# KiCad board IotKnob.kicad_pcb (continued)
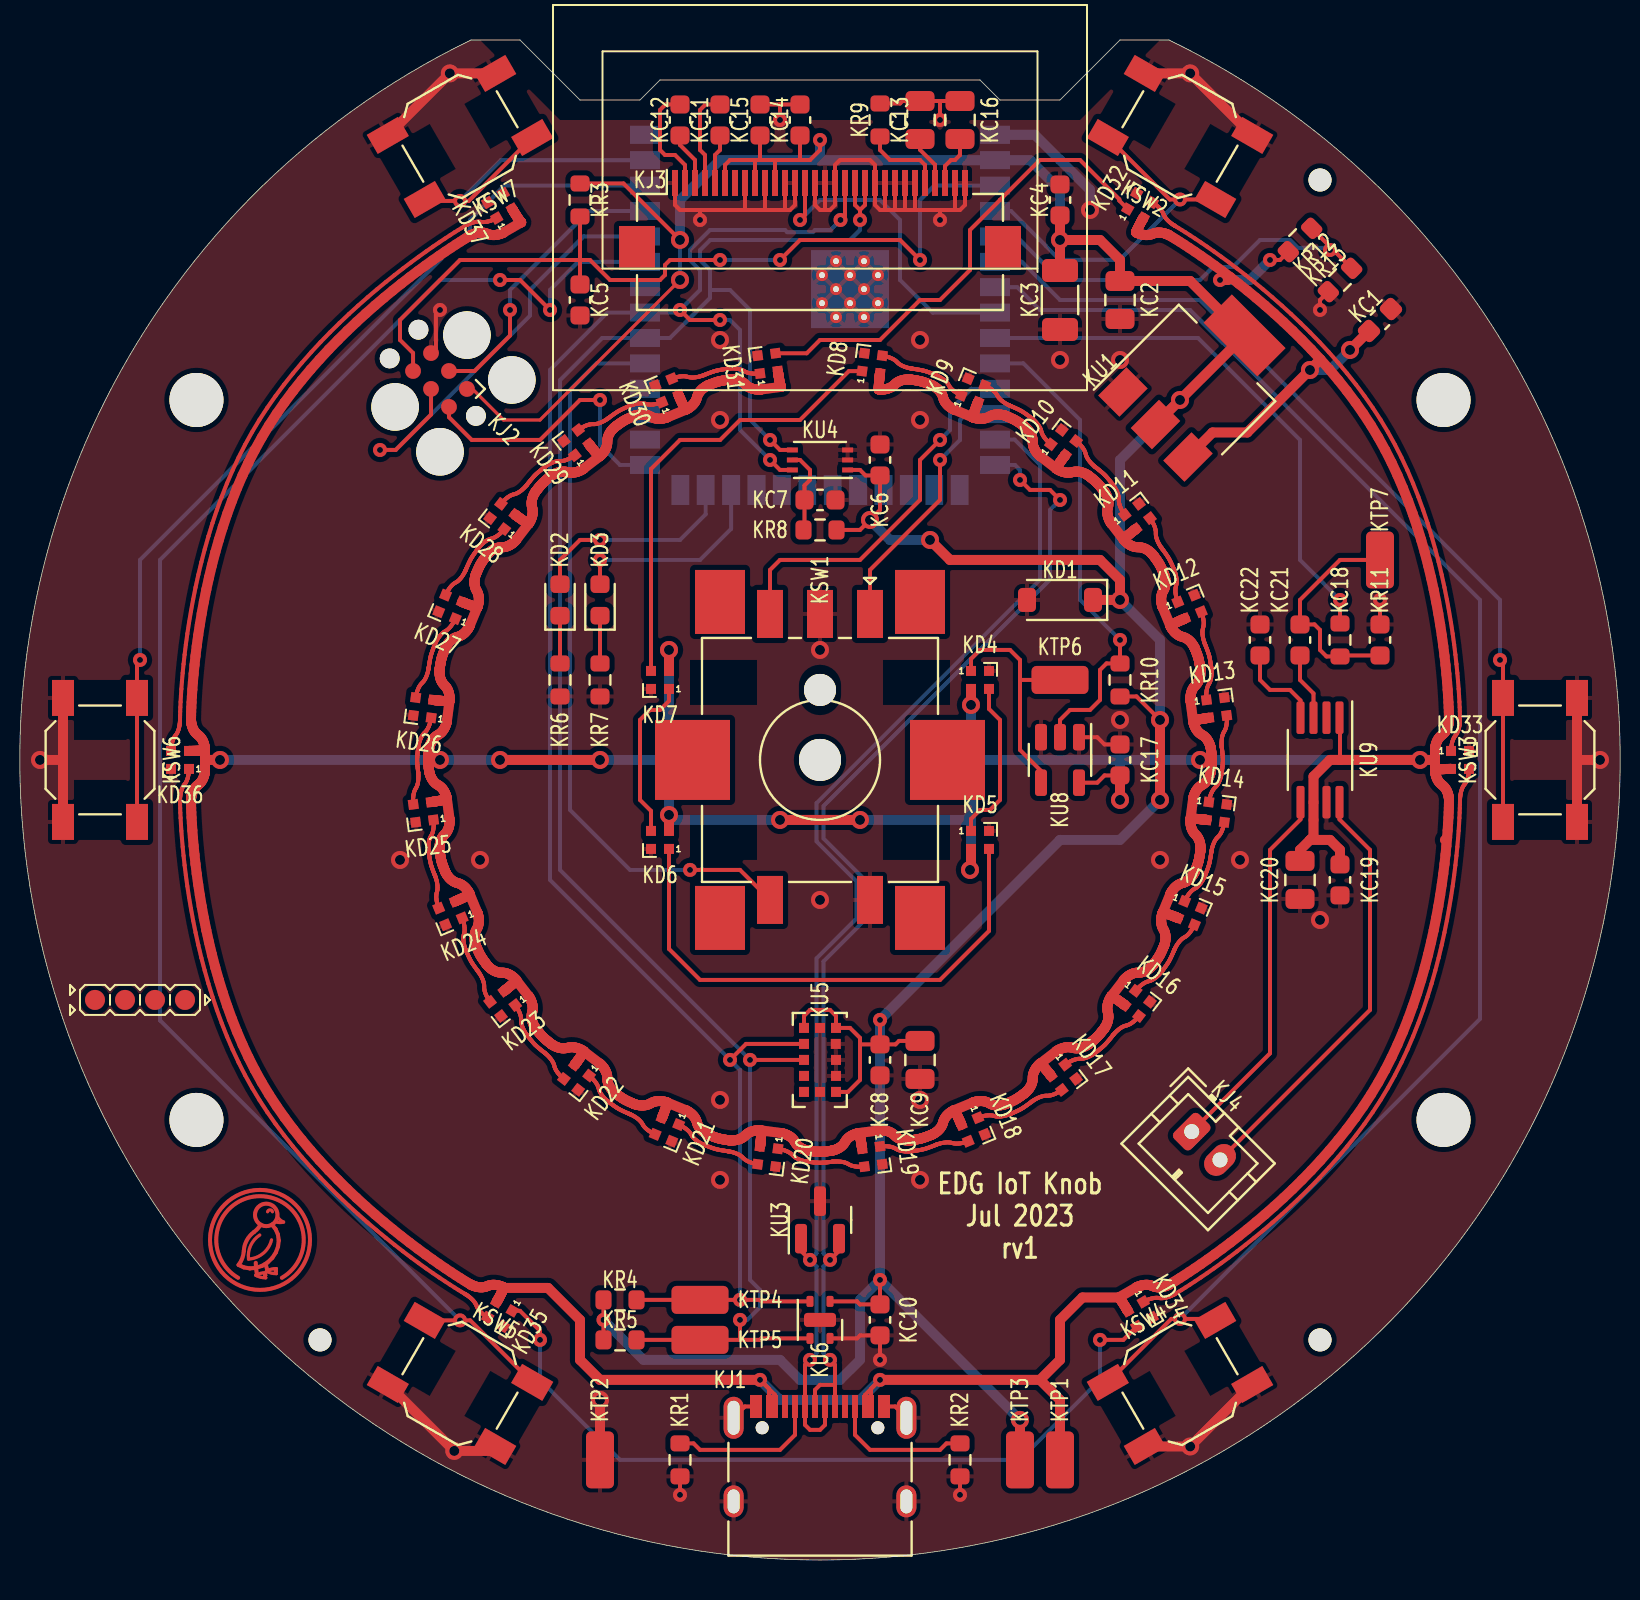
[diagram p0: board, top side]
## Routing (per net, layer and track width the routed paths; a pad name or vN(x,y) marks a point on that pad's centre or on a via; arc(x,y) is an arc through that point) (continued)
  Top w0.5: KD28.2 2.24,52.25 2.27,52.23 2.28,52.22 2.29,52.21 2.3,52.2 2.33,52.18 2.35,52.17 2.38,52.14 2.4,52.13 2.42,52.11 2.45,52.09 2.5,52.06 2.52,52.04 2.56,52.01 2.67,51.94 2.69,51.93 2.71,51.91 2.72,51.9 2.74,51.89 2.77,51.87 2.8,51.86 2.81,51.85 2.83,51.84 2.85,51.83 2.88,51.82 ; -1.08,42.95 -1.08,42.95 -1.09,42.95 -1.11,42.94 -1.12,42.94 -1.14,42.94 -1.16,42.94 -1.17,42.94 -1.2,42.94 -1.23,42.95 -1.25,42.95 -1.27,42.95 -1.32,42.95 -1.48,42.96 -1.5,42.96 -1.55,42.97 -1.58,42.97 -1.62,42.98 -1.65,42.98 -1.71,42.98 -1.73,42.99 -1.78,42.99 -1.8,42.99 -1.82,43 -1.86,43 KD26.2 ; -1.07,42.95 -1.07,42.99 -1.07,43.02 -1.07,43.09 -1.07,43.11 -1.07,43.17 -1.08,43.2 -1.08,43.23 -1.09,43.26 -1.1,43.33 -1.11,43.37 -1.12,43.4 -1.13,43.44 -1.14,43.47 -1.16,43.51 -1.18,43.54 -1.2,43.58 -1.22,43.61 -1.24,43.64 -1.27,43.68 -1.29,43.71 -1.35,43.77 -1.38,43.8 -1.41,43.83 -1.43,43.87 -1.45,43.9 -1.47,43.94 -1.49,43.97 -1.5,44.01 -1.52,44.04 -1.53,44.08 -1.54,44.11 -1.55,44.15 -1.55,44.18 -1.57,44.25 -1.57,44.28 -1.57,44.31 -1.58,44.36 -1.58,44.39 -1.58,44.44 -1.58,44.46 -1.58,44.47 -1.57,44.51 -1.57,44.53 -1.56,44.59 -1.56,44.61 -1.56,44.63 -1.56,44.65 -1.55,44.67 -1.55,44.69 -1.55,44.71 -1.54,44.73 -1.54,44.76 -1.53,44.83 -1.52,44.85 -1.52,44.88 -1.51,44.9 -1.51,44.92 -1.5,44.97 -1.49,44.99 -1.49,45.02 -1.47,45.08 -1.46,45.12 -1.46,45.14 -1.44,45.18 -1.44,45.2 -1.43,45.23 -1.42,45.25 -1.41,45.27 -1.4,45.3 -1.39,45.32 -1.39,45.34 -1.38,45.37 -1.36,45.41 -1.34,45.47 -1.33,45.49 -1.31,45.54 -1.3,45.57 -1.3,45.58 -1.29,45.6 -1.28,45.61 -1.27,45.62 -1.26,45.65 -1.25,45.67 -1.24,45.68 -1.23,45.7 -1.21,45.75 -1.17,45.79 -1.16,45.82 -1.12,45.87 -1.09,45.89 -1.07,45.92 -1.05,45.95 -1.02,45.97 -0.99,46 -0.96,46.02 -0.93,46.04 -0.9,46.06 -0.87,46.08 -0.83,46.1 -0.79,46.12 -0.76,46.14 -0.72,46.15 -0.67,46.16 -0.63,46.17 -0.59,46.19 -0.55,46.2 -0.52,46.22 -0.48,46.24 -0.45,46.26 -0.42,46.28 -0.39,46.3 -0.36,46.33 -0.33,46.35 -0.3,46.38 -0.28,46.4 -0.25,46.43 -0.23,46.45 -0.21,46.48 -0.19,46.5 -0.17,46.53 -0.14,46.58 -0.12,46.62 -0.11,46.64 -0.1,46.66 -0.09,46.67 -0.07,46.7 -0.06,46.72 -0.06,46.72 0.32,47.64 ; -1.07,42.95 -1.2,41.96 -1.21,41.92 -1.22,41.91 -1.22,41.87 -1.23,41.85 -1.24,41.82 -1.24,41.8 -1.26,41.74 -1.28,41.69 -1.3,41.66 -1.31,41.63 -1.33,41.6 -1.35,41.56 -1.36,41.53 -1.39,41.5 -1.41,41.47 -1.43,41.44 -1.46,41.41 -1.48,41.38 -1.51,41.36 -1.55,41.33 -1.58,41.31 -1.61,41.28 -1.65,41.26 -1.69,41.24 -1.72,41.22 -1.75,41.19 -1.79,41.16 -1.81,41.14 -1.84,41.11 -1.87,41.08 -1.91,41.02 -1.93,40.99 -1.95,40.96 -1.97,40.93 -1.99,40.89 -2,40.86 -2.02,40.83 -2.03,40.8 -2.05,40.75 -2.06,40.7 -2.07,40.67 -2.08,40.65 -2.08,40.62 -2.09,40.59 -2.09,40.58 -2.09,40.56 -2.1,40.54 -2.1,40.52 -2.1,40.51 -2.11,40.48 -2.11,40.42 -2.11,40.4 -2.12,40.36 -2.12,40.33 -2.12,40.29 -2.13,40.26 -2.14,40.16 -2.14,40.14 -2.14,40.12 -2.14,40.05 -2.14,40.01 ; -13.3,40.51 -13.31,40.5 -13.34,40.49 -13.36,40.49 -13.37,40.49 -13.39,40.49 -13.41,40.49 -13.42,40.48 -13.44,40.48 -13.47,40.48 -13.49,40.48 -13.54,40.47 -13.57,40.47 -13.59,40.47 -13.62,40.47 -13.65,40.47 -13.83,40.46 -13.85,40.46 -13.87,40.46 -13.89,40.46 -13.91,40.46 -13.93,40.46 -13.95,40.46 -13.97,40.46 -14.02,40.46 -14.04,40.46 KD36.2 ; -13.3,40.51 -13.3,40.01 ; -13.3,40.51 -13.3,40.52 -13.3,40.56 -13.3,40.58 -13.31,40.6 -13.31,40.62 -13.32,40.67 -13.32,40.7 -13.33,40.73 -13.34,40.79 -13.35,40.82 -13.36,40.85 -13.38,40.88 -13.39,40.92 -13.4,40.95 -13.42,40.98 -13.44,41.02 -13.46,41.05 -13.48,41.08 -13.5,41.11 -13.53,41.14 -13.55,41.17 -13.58,41.2 -13.62,41.23 -13.68,41.28 -13.72,41.31 -13.74,41.34 -13.77,41.37 -13.8,41.4 -13.82,41.43 -13.84,41.46 -13.86,41.5 -13.88,41.53 -13.9,41.56 -13.91,41.6 -13.92,41.63 -13.94,41.66 -13.95,41.7 -13.96,41.73 -13.97,41.79 -13.98,41.82 -13.98,41.84 -13.99,41.89 -13.99,41.91 -14,41.93 -14,41.98 -14,42.01 -14,42.03 -14,42.11 -14,42.24 -13.99,42.41 -13.98,42.63 -13.97,42.89 -13.95,43.19 -13.93,43.53 -13.91,43.9 -13.87,44.31 -13.83,44.75 -13.77,45.21 -13.71,45.71 -13.64,46.23 -13.56,46.77 -13.46,47.33 -13.36,47.91 -13.24,48.51 -13.1,49.12 -12.95,49.74 -12.79,50.38 -12.61,51.02 -12.41,51.66 -12.19,52.31 -11.95,52.95 -11.7,53.6 -11.42,54.24 -11.13,54.88 -10.81,55.51 -10.47,56.12 -10.1,56.73 -9.72,57.32 -9.31,57.89 -8.9,58.45 -8.47,59 -8.02,59.53 -7.57,60.04 -7.11,60.53 -6.65,61.01 -6.19,61.47 -5.72,61.91 -5.26,62.33 -4.8,62.73 -4.35,63.12 -3.91,63.48 -3.48,63.82 -3.07,64.14 -2.67,64.44 -2.29,64.72 -1.93,64.98 -1.6,65.21 -1.29,65.43 -1.01,65.61 -0.76,65.78 -0.54,65.92 -0.35,66.03 -0.2,66.12 -0.1,66.19 -0.03,66.23 0,66.25 0.04,66.27 0.06,66.27 0.08,66.28 0.12,66.3 0.14,66.31 0.17,66.32 0.23,66.34 0.29,66.35 0.32,66.36 0.36,66.37 0.39,66.37 0.43,66.37 0.47,66.38 0.5,66.38 0.54,66.38 0.58,66.37 0.62,66.37 0.66,66.36 0.7,66.36 0.74,66.34 0.78,66.33 0.82,66.31 0.86,66.3 0.9,66.29 0.94,66.27 0.98,66.27 1.02,66.26 1.06,66.25 1.09,66.25 1.13,66.25 1.17,66.25 1.21,66.26 1.24,66.26 1.28,66.26 1.31,66.27 1.38,66.28 1.41,66.29 1.44,66.3 1.47,66.31 1.52,66.33 1.56,66.35 1.58,66.35 1.64,66.38 1.64,66.39 2.51,66.89 2.49,66.9 2.48,66.91 2.48,66.92 2.47,66.92 2.45,66.95 2.45,66.96 2.42,66.99 2.4,67.02 2.37,67.06 2.36,67.08 2.33,67.12 2.26,67.24 2.25,67.26 2.22,67.3 2.21,67.32 2.15,67.41 2.14,67.43 2.12,67.46 2.11,67.47 2.09,67.51 2.08,67.53 2.07,67.54 2.06,67.55 ; 48.8,36.11 48.77,35.71 48.73,35.27 48.67,34.8 48.61,34.3 48.54,33.78 48.46,33.24 48.36,32.68 48.26,32.1 48.14,31.5 48,30.89 47.85,30.27 47.69,29.64 47.51,29 47.31,28.35 47.09,27.71 46.86,27.06 46.6,26.41 46.32,25.77 46.03,25.13 45.71,24.51 45.37,23.89 45,23.28 44.62,22.69 44.22,22.12 43.8,21.56 43.37,21.01 42.92,20.49 42.47,19.98 42.01,19.48 41.55,19 41.09,18.55 40.62,18.1 40.16,17.68 39.7,17.28 39.25,16.9 38.81,16.53 38.38,16.19 37.97,15.87 37.57,15.57 37.19,15.29 36.83,15.03 36.5,14.8 36.19,14.59 35.91,14.4 35.66,14.23 35.44,14.09 35.25,13.98 35.11,13.89 35,13.82 34.93,13.78 34.9,13.77 34.86,13.75 34.84,13.74 34.82,13.73 34.78,13.71 34.76,13.7 34.73,13.69 34.67,13.68 34.61,13.66 34.58,13.65 34.54,13.65 34.51,13.64 34.47,13.64 34.44,13.64 34.4,13.64 34.36,13.64 34.32,13.64 34.28,13.64 34.24,13.65 34.2,13.66 34.16,13.67 34.12,13.68 34.08,13.7 34.04,13.71 34,13.73 33.96,13.74 33.92,13.75 33.88,13.75 33.84,13.76 33.81,13.76 33.77,13.76 33.73,13.76 33.69,13.76 33.66,13.75 33.62,13.75 33.59,13.74 33.52,13.73 33.49,13.72 33.46,13.71 33.43,13.7 33.38,13.68 33.34,13.67 33.32,13.66 33.26,13.63 33.26,13.63 32.39,13.13 ; 48.8,36.11 48.83,36.49 48.86,36.83 48.87,37.13 48.88,37.39 48.89,37.6 48.9,37.78 48.9,37.9 48.9,37.98 48.9,38.02 48.9,38.06 48.9,38.08 48.89,38.1 48.89,38.12 48.88,38.17 48.88,38.2 48.87,38.23 48.86,38.29 48.85,38.32 48.84,38.35 48.82,38.38 48.81,38.42 48.8,38.45 48.78,38.48 48.76,38.52 48.74,38.55 48.72,38.58 48.7,38.61 48.67,38.64 48.64,38.67 48.61,38.7 48.58,38.73 48.52,38.78 48.48,38.81 48.45,38.84 48.43,38.87 48.4,38.9 48.38,38.93 48.36,38.96 48.34,39 48.32,39.03 48.3,39.06 48.29,39.1 48.28,39.13 48.26,39.16 48.25,39.2 48.24,39.23 48.23,39.29 48.22,39.32 48.22,39.34 48.21,39.39 48.21,39.41 48.2,39.43 48.2,39.48 48.2,39.51 ; 48.8,36.11 48.7,36.01 ; 9.81,22.88 9.8,22.88 9.79,22.88 9.78,22.89 9.76,22.89 9.75,22.9 9.73,22.9 9.7,22.91 9.66,22.92 9.63,22.93 9.57,22.94 9.51,22.95 9.44,22.95 9.4,22.95 9.37,22.95 9.33,22.95 9.29,22.94 9.25,22.94 9.21,22.93 9.17,22.92 9.14,22.91 9.1,22.89 9.06,22.88 9.02,22.86 8.95,22.82 8.91,22.8 8.87,22.78 8.84,22.77 8.8,22.76 8.76,22.75 8.72,22.74 8.68,22.74 8.64,22.73 8.61,22.73 8.53,22.73 8.5,22.73 8.43,22.74 8.4,22.74 8.37,22.74 8.34,22.75 8.32,22.76 8.29,22.76 8.25,22.77 8.21,22.78 8.18,22.79 8.17,22.8 8.14,22.81 8.1,22.83 8.07,22.84 8.05,22.85 8.03,22.86 8.01,22.87 7.99,22.87 7.97,22.88 7.95,22.89 7.91,22.91 7.88,22.92 7.84,22.95 7.81,22.96 7.77,22.98 7.75,22.99 7.73,23 7.71,23.01 7.69,23.02 7.67,23.03 7.64,23.05 7.62,23.06 7.6,23.07 7.58,23.08 7.56,23.1 7.54,23.11 7.48,23.15 7.46,23.17 7.4,23.21 7.36,23.24 7.34,23.25 7.31,23.27 7.29,23.29 7.26,23.31 7.24,23.33 7.23,23.33 7.22,23.34 7.18,23.37 7.17,23.38 7.16,23.39 7.14,23.41 7.09,23.45 7.08,23.47 7.04,23.51 7.02,23.54 7,23.56 6.98,23.59 6.96,23.62 6.94,23.65 6.93,23.68 6.91,23.71 6.89,23.74 6.88,23.78 6.86,23.81 6.85,23.85 6.84,23.89 6.83,23.93 6.82,23.97 6.82,24.01 6.81,24.05 6.81,24.09 6.81,24.14 6.81,24.18 6.81,24.22 6.8,24.26 6.79,24.3 6.78,24.34 6.77,24.37 6.75,24.41 6.74,24.44 6.72,24.48 6.7,24.51 6.69,24.54 6.67,24.57 6.65,24.6 6.63,24.62 6.61,24.65 6.59,24.67 6.55,24.71 6.53,24.73 6.5,24.77 6.45,24.81 6.43,24.83 6.43,24.83 5.64,25.44 ; 9.81,22.88 10.74,22.49 10.76,22.48 10.78,22.47 10.8,22.46 10.82,22.45 10.84,22.44 10.88,22.41 10.93,22.38 10.95,22.36 10.98,22.35 11,22.32 11.03,22.3 11.06,22.28 11.08,22.25 11.11,22.23 11.13,22.2 11.15,22.17 11.18,22.14 11.2,22.11 11.22,22.07 11.24,22.04 11.26,22 11.27,21.96 11.28,21.92 11.3,21.88 11.31,21.84 11.32,21.8 11.34,21.76 11.35,21.73 11.37,21.69 11.39,21.66 11.42,21.62 11.44,21.59 11.46,21.56 11.49,21.54 11.51,21.51 11.54,21.49 11.56,21.46 11.59,21.44 11.64,21.4 11.66,21.38 11.71,21.35 11.75,21.32 11.77,21.31 11.79,21.3 11.81,21.29 11.83,21.28 11.86,21.27 11.87,21.26 11.88,21.26 11.9,21.25 11.93,21.24 11.97,21.23 11.98,21.22 12.03,21.2 12.09,21.18 12.11,21.17 12.14,21.16 12.16,21.15 12.18,21.15 12.21,21.14 12.23,21.13 12.25,21.12 12.28,21.11 12.32,21.1 12.36,21.09 12.38,21.08 12.42,21.07 12.44,21.07 12.46,21.06 12.48,21.06 12.53,21.05 12.56,21.04 12.58,21.04 12.61,21.03 12.63,21.03 12.7,21.02 12.72,21.01 12.75,21.01 12.77,21.01 12.79,21 12.81,21 12.83,21 12.84,21 12.89,20.99 12.92,20.98 12.95,20.98 12.98,20.98 13,20.98 13.02,20.98 13.07,20.98 13.09,20.98 13.15,20.98 13.18,20.99 13.21,20.99 13.28,21 13.31,21.01 13.34,21.02 13.38,21.03 13.42,21.04 13.45,21.05 13.49,21.07 13.52,21.09 13.56,21.11 13.59,21.13 13.62,21.15 13.66,21.18 13.69,21.2 13.75,21.26 13.78,21.29 13.81,21.32 13.85,21.34 13.88,21.36 13.91,21.38 13.95,21.4 13.98,21.41 14.02,21.43 14.06,21.44 14.09,21.45 14.12,21.46 14.19,21.47 14.22,21.48 14.26,21.48 14.29,21.48 14.34,21.49 14.37,21.49 14.44,21.49 14.48,21.48 14.51,21.48 ; 9.81,22.87 9.81,22.86 9.81,22.84 9.8,22.82 9.79,22.76 9.78,22.74 9.78,22.72 9.77,22.7 9.75,22.64 9.74,22.61 9.71,22.54 9.71,22.51 9.68,22.44 9.67,22.42 9.66,22.4 9.65,22.37 9.64,22.33 9.63,22.31 9.62,22.29 9.61,22.27 9.6,22.24 9.59,22.22 9.58,22.19 9.57,22.15 9.56,22.13 9.55,22.12 ; -1.2,38.05 -1.21,38.09 -1.22,38.11 -1.22,38.14 -1.23,38.17 -1.24,38.19 -1.24,38.21 -1.26,38.27 -1.28,38.33 -1.3,38.36 -1.31,38.39 -1.33,38.42 -1.35,38.45 -1.36,38.48 -1.39,38.51 -1.41,38.54 -1.43,38.57 -1.46,38.6 -1.48,38.63 -1.51,38.66 -1.55,38.68 -1.58,38.71 -1.61,38.73 -1.65,38.75 -1.69,38.77 -1.72,38.8 -1.75,38.82 -1.79,38.85 -1.81,38.88 -1.84,38.9 -1.87,38.93 -1.91,38.99 -1.93,39.03 -1.95,39.06 -1.97,39.09 -1.99,39.12 -2,39.15 -2.02,39.18 -2.03,39.21 -2.05,39.26 -2.06,39.32 -2.07,39.34 -2.08,39.36 -2.08,39.4 -2.09,39.43 -2.09,39.44 -2.09,39.45 -2.1,39.47 -2.1,39.49 -2.1,39.5 -2.11,39.53 -2.11,39.59 -2.11,39.61 -2.12,39.66 -2.12,39.68 -2.12,39.73 -2.13,39.75 -2.14,39.85 -2.14,39.87 -2.14,39.9 -2.14,39.97 -2.14,40.01 ; -1.2,38.05 -1.07,37.06 -1.07,37.01 -1.07,36.99 -1.07,36.93 -1.07,36.9 -1.07,36.84 -1.08,36.81 -1.08,36.78 -1.09,36.75 -1.1,36.68 -1.11,36.65 -1.12,36.61 -1.13,36.58 -1.14,36.54 -1.16,36.51 -1.18,36.47 -1.2,36.44 -1.22,36.4 -1.24,36.37 -1.27,36.34 -1.29,36.3 -1.35,36.24 -1.38,36.21 -1.41,36.18 -1.43,36.15 -1.45,36.11 -1.47,36.08 -1.49,36.04 -1.5,36.01 -1.52,35.97 -1.53,35.94 -1.54,35.9 -1.55,35.87 -1.55,35.83 -1.57,35.77 -1.57,35.74 -1.57,35.71 -1.58,35.65 -1.58,35.62 -1.58,35.58 -1.58,35.56 -1.58,35.54 -1.57,35.5 -1.57,35.48 -1.56,35.42 -1.56,35.4 -1.56,35.38 -1.56,35.37 -1.55,35.35 -1.55,35.33 -1.55,35.3 -1.54,35.28 -1.54,35.26 -1.53,35.19 -1.52,35.16 -1.52,35.14 -1.51,35.11 -1.51,35.09 -1.5,35.04 -1.49,35.02 -1.49,35 -1.47,34.94 -1.46,34.9 -1.46,34.88 -1.44,34.83 -1.44,34.81 -1.43,34.79 -1.42,34.76 -1.41,34.74 -1.4,34.72 -1.39,34.69 -1.39,34.67 -1.38,34.65 -1.36,34.6 -1.34,34.54 -1.33,34.52 -1.31,34.47 -1.3,34.45 -1.3,34.44 -1.29,34.42 -1.28,34.4 -1.27,34.39 -1.26,34.36 -1.25,34.35 -1.24,34.33 -1.23,34.31 -1.21,34.27 -1.17,34.22 -1.16,34.19 -1.12,34.14 -1.09,34.12 -1.07,34.09 -1.05,34.07 -1.02,34.04 -0.99,34.02 -0.96,33.99 -0.93,33.97 -0.9,33.95 -0.87,33.93 -0.83,33.91 -0.79,33.89 -0.76,33.88 -0.72,33.86 -0.67,33.85 -0.63,33.84 -0.59,33.83 -0.55,33.81 -0.52,33.79 -0.48,33.78 -0.45,33.75 -0.42,33.73 -0.39,33.71 -0.36,33.69 -0.33,33.66 -0.3,33.64 -0.28,33.61 -0.25,33.59 -0.23,33.56 -0.21,33.53 -0.19,33.51 -0.17,33.48 -0.14,33.44 -0.12,33.39 -0.11,33.38 -0.1,33.36 -0.09,33.34 -0.07,33.32 -0.06,33.29 -0.06,33.29 ; -1.21,38.05 -1.22,38.05 -1.24,38.04 -1.28,38.03 -1.31,38.02 -1.34,38.01 -1.37,38.01 -1.39,38 -1.42,38 -1.47,37.99 -1.55,37.97 -1.57,37.97 -1.6,37.96 -1.62,37.96 -1.65,37.95 -1.72,37.94 -1.74,37.94 -1.77,37.93 -1.79,37.93 -1.85,37.92 -1.86,37.92 -1.88,37.92 -1.9,37.91 -1.94,37.91 -1.95,37.91 -1.98,37.9 -1.99,37.9 ; -0.06,33.29 0.32,32.37 0.32,32.36 0.33,32.35 0.33,32.33 0.34,32.32 0.34,32.3 0.35,32.28 0.35,32.26 0.37,32.21 0.37,32.18 0.38,32.13 0.39,32.06 0.39,31.99 0.39,31.96 0.39,31.92 0.39,31.88 0.39,31.85 0.38,31.81 0.37,31.77 0.36,31.73 0.35,31.69 0.34,31.66 0.32,31.62 0.3,31.58 0.26,31.51 0.24,31.47 0.23,31.43 0.21,31.39 0.2,31.35 0.19,31.31 0.18,31.28 0.18,31.24 0.17,31.2 0.17,31.16 0.17,31.09 0.17,31.06 0.18,30.99 0.18,30.96 0.19,30.93 0.19,30.9 0.2,30.87 0.2,30.85 0.22,30.8 0.23,30.77 0.24,30.74 0.24,30.72 0.25,30.7 0.27,30.65 0.29,30.62 0.29,30.6 0.3,30.59 0.31,30.57 0.32,30.55 0.33,30.53 0.34,30.51 0.36,30.46 0.37,30.44 0.39,30.39 0.4,30.37 0.42,30.33 0.43,30.31 0.44,30.29 0.45,30.27 0.46,30.25 0.47,30.23 0.49,30.19 0.5,30.18 0.52,30.16 0.53,30.14 0.54,30.12 0.55,30.1 0.59,30.04 0.61,30.02 0.65,29.96 0.68,29.92 0.69,29.9 0.72,29.87 0.73,29.85 0.75,29.82 0.77,29.79 0.78,29.78 0.78,29.77 0.82,29.73 0.83,29.72 0.84,29.71 0.85,29.7 0.9,29.65 0.92,29.63 0.96,29.6 0.98,29.58 1.01,29.56 1.03,29.54 1.06,29.52 1.09,29.5 1.12,29.48 1.15,29.47 1.19,29.45 1.22,29.43 1.26,29.42 1.29,29.41 1.33,29.4 1.37,29.39 1.41,29.38 1.45,29.37 1.49,29.37 1.54,29.37 1.58,29.37 1.62,29.37 1.66,29.36 1.7,29.36 1.74,29.35 1.78,29.34 1.81,29.32 1.85,29.31 1.89,29.29 1.92,29.28 1.95,29.26 1.98,29.24 2.01,29.22 2.04,29.2 2.06,29.18 2.09,29.16 2.11,29.15 2.16,29.11 2.18,29.09 2.21,29.06 2.26,29.01 2.27,28.99 2.27,28.99 ; -0.06,33.29 -0.07,33.28 -0.09,33.27 -0.1,33.27 -0.13,33.25 -0.15,33.23 -0.17,33.23 -0.18,33.22 -0.22,33.2 -0.23,33.19 -0.28,33.17 -0.3,33.16 -0.32,33.15 -0.35,33.14 -0.37,33.13 -0.39,33.11 -0.42,33.1 -0.44,33.09 -0.47,33.08 -0.49,33.07 -0.53,33.05 -0.55,33.04 -0.57,33.03 -0.59,33.02 -0.63,33.01 -0.67,32.99 -0.71,32.97 -0.74,32.96 -0.76,32.95 -0.78,32.94 KD24.2 ; 33.61,67.1 33.6,67.09 33.58,67.05 33.57,67.02 33.56,67.01 33.54,66.98 33.52,66.94 33.51,66.92 33.5,66.9 33.49,66.88 33.48,66.86 33.47,66.84 33.46,66.82 33.45,66.8 33.4,66.71 33.36,66.64 33.35,66.61 33.33,66.57 33.32,66.55 33.31,66.53 33.31,66.52 33.3,66.5 33.29,66.49 33.28,66.45 33.27,66.43 33.26,66.4 33.26,66.39 33.26,66.39 33.27,66.38 33.32,66.35 33.36,66.34 33.43,66.31 33.46,66.3 33.49,66.29 33.52,66.28 33.59,66.27 33.62,66.26 33.66,66.26 33.69,66.26 33.73,66.25 33.77,66.25 33.81,66.25 33.84,66.25 33.88,66.26 33.92,66.27 33.96,66.27 34,66.29 34.04,66.3 34.08,66.31 34.12,66.33 34.16,66.34 34.2,66.36 34.24,66.36 34.28,66.37 34.32,66.37 34.36,66.38 34.4,66.38 34.44,66.38 34.47,66.37 34.51,66.37 34.54,66.37 34.58,66.36 34.61,66.35 34.67,66.34 34.73,66.32 34.76,66.31 34.8,66.29 34.82,66.28 34.84,66.27 34.86,66.27 34.9,66.25 34.91,66.24 34.93,66.23 35,66.19 35.11,66.12 35.25,66.03 35.44,65.92 35.66,65.78 35.91,65.61 36.19,65.43 36.5,65.21 36.83,64.98 37.19,64.72 37.57,64.44 37.97,64.14 ; 32.39,13.13 32.41,13.11 32.42,13.1 32.42,13.1 32.43,13.09 32.45,13.07 32.45,13.06 32.48,13.02 32.5,12.99 32.53,12.95 32.54,12.93 32.57,12.89 32.64,12.78 32.66,12.76 32.68,12.71 32.69,12.69 32.75,12.6 32.76,12.58 32.78,12.55 32.79,12.54 32.81,12.5 32.82,12.48 32.83,12.47 32.84,12.46 ; 32.39,13.13 30.57,13.13 29.45,12.01 29.45,10.01 28.45,9.01 ; 41.95,36.01 41.45,35.51 KC20.1 ; 41.95,36.01 42.12,36.18 KU9.6 42.12,39.18 42.95,40.01 v1(47.45,40.01) 48.2,40.01 ; 41.95,36.01 42.95,36.01 43.45,35.51 KC19.1 ; -13.3,40.01 -13.3,39.49 -13.3,39.45 -13.3,39.43 -13.31,39.41 -13.31,39.39 -13.32,39.34 -13.32,39.32 -13.33,39.29 -13.34,39.23 -13.35,39.2 -13.36,39.16 -13.38,39.13 -13.39,39.1 -13.4,39.06 -13.42,39.03 -13.44,39 -13.46,38.96 -13.48,38.93 -13.5,38.9 -13.53,38.87 -13.55,38.84 -13.58,38.81 -13.62,38.78 -13.68,38.73 -13.72,38.7 -13.74,38.67 -13.77,38.64 -13.8,38.61 -13.82,38.58 -13.84,38.55 -13.86,38.52 -13.88,38.48 -13.9,38.45 -13.91,38.42 -13.92,38.38 -13.94,38.35 -13.95,38.32 -13.96,38.29 -13.97,38.23 -13.98,38.2 -13.98,38.17 -13.99,38.12 -13.99,38.1 -14,38.08 -14,38.03 -14,38.01 -14,37.98 -14,37.9 -14,37.78 -13.99,37.6 -13.98,37.39 -13.97,37.13 -13.95,36.83 -13.93,36.49 -13.91,36.11 -13.87,35.71 -13.83,35.27 -13.77,34.8 -13.71,34.3 -13.64,33.78 -13.56,33.24 -13.46,32.68 -13.36,32.1 -13.24,31.5 -13.1,30.89 -12.95,30.27 -12.79,29.64 -12.61,29 -12.41,28.35 -12.19,27.71 -11.95,27.06 -11.7,26.41 -11.42,25.77 -11.13,25.13 -10.81,24.51 -10.47,23.89 -10.1,23.28 -9.72,22.69 -9.31,22.12 -8.9,21.56 -8.47,21.01 -8.02,20.49 -7.57,19.98 -7.11,19.48 -6.65,19 -6.19,18.55 -5.72,18.1 -5.26,17.68 -4.8,17.28 -4.35,16.9 -3.91,16.53 -3.48,16.19 -3.07,15.87 -2.67,15.57 -2.29,15.29 -1.93,15.03 -1.6,14.8 -1.29,14.59 -1.01,14.4 -0.76,14.23 -0.54,14.09 -0.35,13.98 -0.2,13.89 -0.1,13.82 -0.03,13.78 0,13.77 0.04,13.75 0.06,13.74 0.08,13.73 0.12,13.71 0.14,13.7 0.17,13.69 0.23,13.68 0.29,13.66 0.32,13.65 0.36,13.65 0.39,13.64 0.43,13.64 0.47,13.64 0.5,13.64 0.54,13.64 0.58,13.64 0.62,13.64 0.66,13.65 0.7,13.66 0.74,13.67 0.78,13.68 0.82,13.7 0.86,13.71 0.9,13.73 0.94,13.74 0.98,13.75 1.02,13.75 1.06,13.76 1.09,13.76 1.13,13.76 1.17,13.76 1.21,13.76 1.24,13.75 1.28,13.75 1.31,13.74 1.38,13.73 1.41,13.72 1.44,13.71 1.47,13.7 1.52,13.68 1.56,13.67 1.58,13.66 1.64,13.63 1.64,13.62 1.64,13.6 ; -13.3,40.01 v1(-12.55,40.01) ; KD10.2 29.69,55.22 29.67,55.19 29.66,55.18 29.65,55.17 29.64,55.15 29.62,55.13 29.61,55.11 29.59,55.08 29.57,55.06 29.56,55.04 29.53,55 29.5,54.96 29.49,54.94 29.46,54.9 29.38,54.79 29.37,54.77 29.36,54.75 29.35,54.73 29.34,54.72 29.32,54.69 29.3,54.66 29.3,54.65 29.28,54.62 29.27,54.6 29.26,54.58 ; KD5.2 25,34.56 v1(24.95,34.51) ; v1(32.45,38.01) KC17.1 ; 24.16,22.49 25.09,22.88 25.1,22.88 25.11,22.88 25.12,22.89 25.14,22.89 25.16,22.9 25.17,22.9 25.2,22.91 25.25,22.92 25.27,22.93 25.33,22.94 25.39,22.95 25.46,22.95 25.5,22.95 25.53,22.95 25.57,22.95 25.61,22.94 25.65,22.94 25.69,22.93 25.73,22.92 25.76,22.91 25.8,22.89 25.84,22.88 25.88,22.86 25.95,22.82 25.99,22.8 26.03,22.78 26.06,22.77 26.1,22.76 26.14,22.75 26.18,22.74 26.22,22.74 26.26,22.73 26.29,22.73 26.37,22.73 26.4,22.73 26.47,22.74 26.5,22.74 26.53,22.74 26.56,22.75 26.58,22.76 26.61,22.76 26.65,22.77 26.69,22.78 26.72,22.79 26.73,22.8 26.76,22.81 26.8,22.83 26.83,22.84 26.85,22.85 26.87,22.86 26.89,22.87 26.91,22.87 26.93,22.88 26.95,22.89 27,22.91 27.02,22.92 27.06,22.95 27.09,22.96 27.13,22.98 27.15,22.99 27.17,23 27.19,23.01 27.21,23.02 27.23,23.03 27.26,23.05 27.28,23.06 27.3,23.07 27.32,23.08 27.34,23.1 27.36,23.11 27.42,23.15 27.44,23.17 27.5,23.21 27.54,23.24 27.56,23.25 27.59,23.27 27.61,23.29 27.64,23.31 27.66,23.33 27.67,23.33 27.68,23.34 27.72,23.37 27.73,23.38 27.74,23.39 27.76,23.41 27.81,23.45 27.82,23.47 27.86,23.51 27.88,23.54 27.9,23.56 27.92,23.59 27.94,23.62 27.96,23.65 27.97,23.68 27.99,23.71 28.01,23.74 28.02,23.78 28.04,23.81 28.05,23.85 28.06,23.89 28.07,23.93 28.08,23.97 28.08,24.01 28.09,24.05 28.09,24.09 28.09,24.14 28.09,24.18 28.09,24.22 28.1,24.26 28.11,24.3 28.12,24.34 28.13,24.37 28.15,24.41 28.16,24.44 28.18,24.48 28.2,24.51 28.22,24.54 28.23,24.57 28.25,24.6 28.27,24.62 28.29,24.65 28.31,24.67 28.35,24.71 28.37,24.73 28.4,24.77 28.45,24.81 28.47,24.83 28.47,24.83 ; 24.16,22.49 24.14,22.48 24.12,22.47 24.1,22.46 24.08,22.45 24.06,22.44 24.02,22.41 23.97,22.38 23.95,22.36 23.92,22.35 23.9,22.32 